# KiCad board JumperlessV5r6.kicad_pcb (continued)
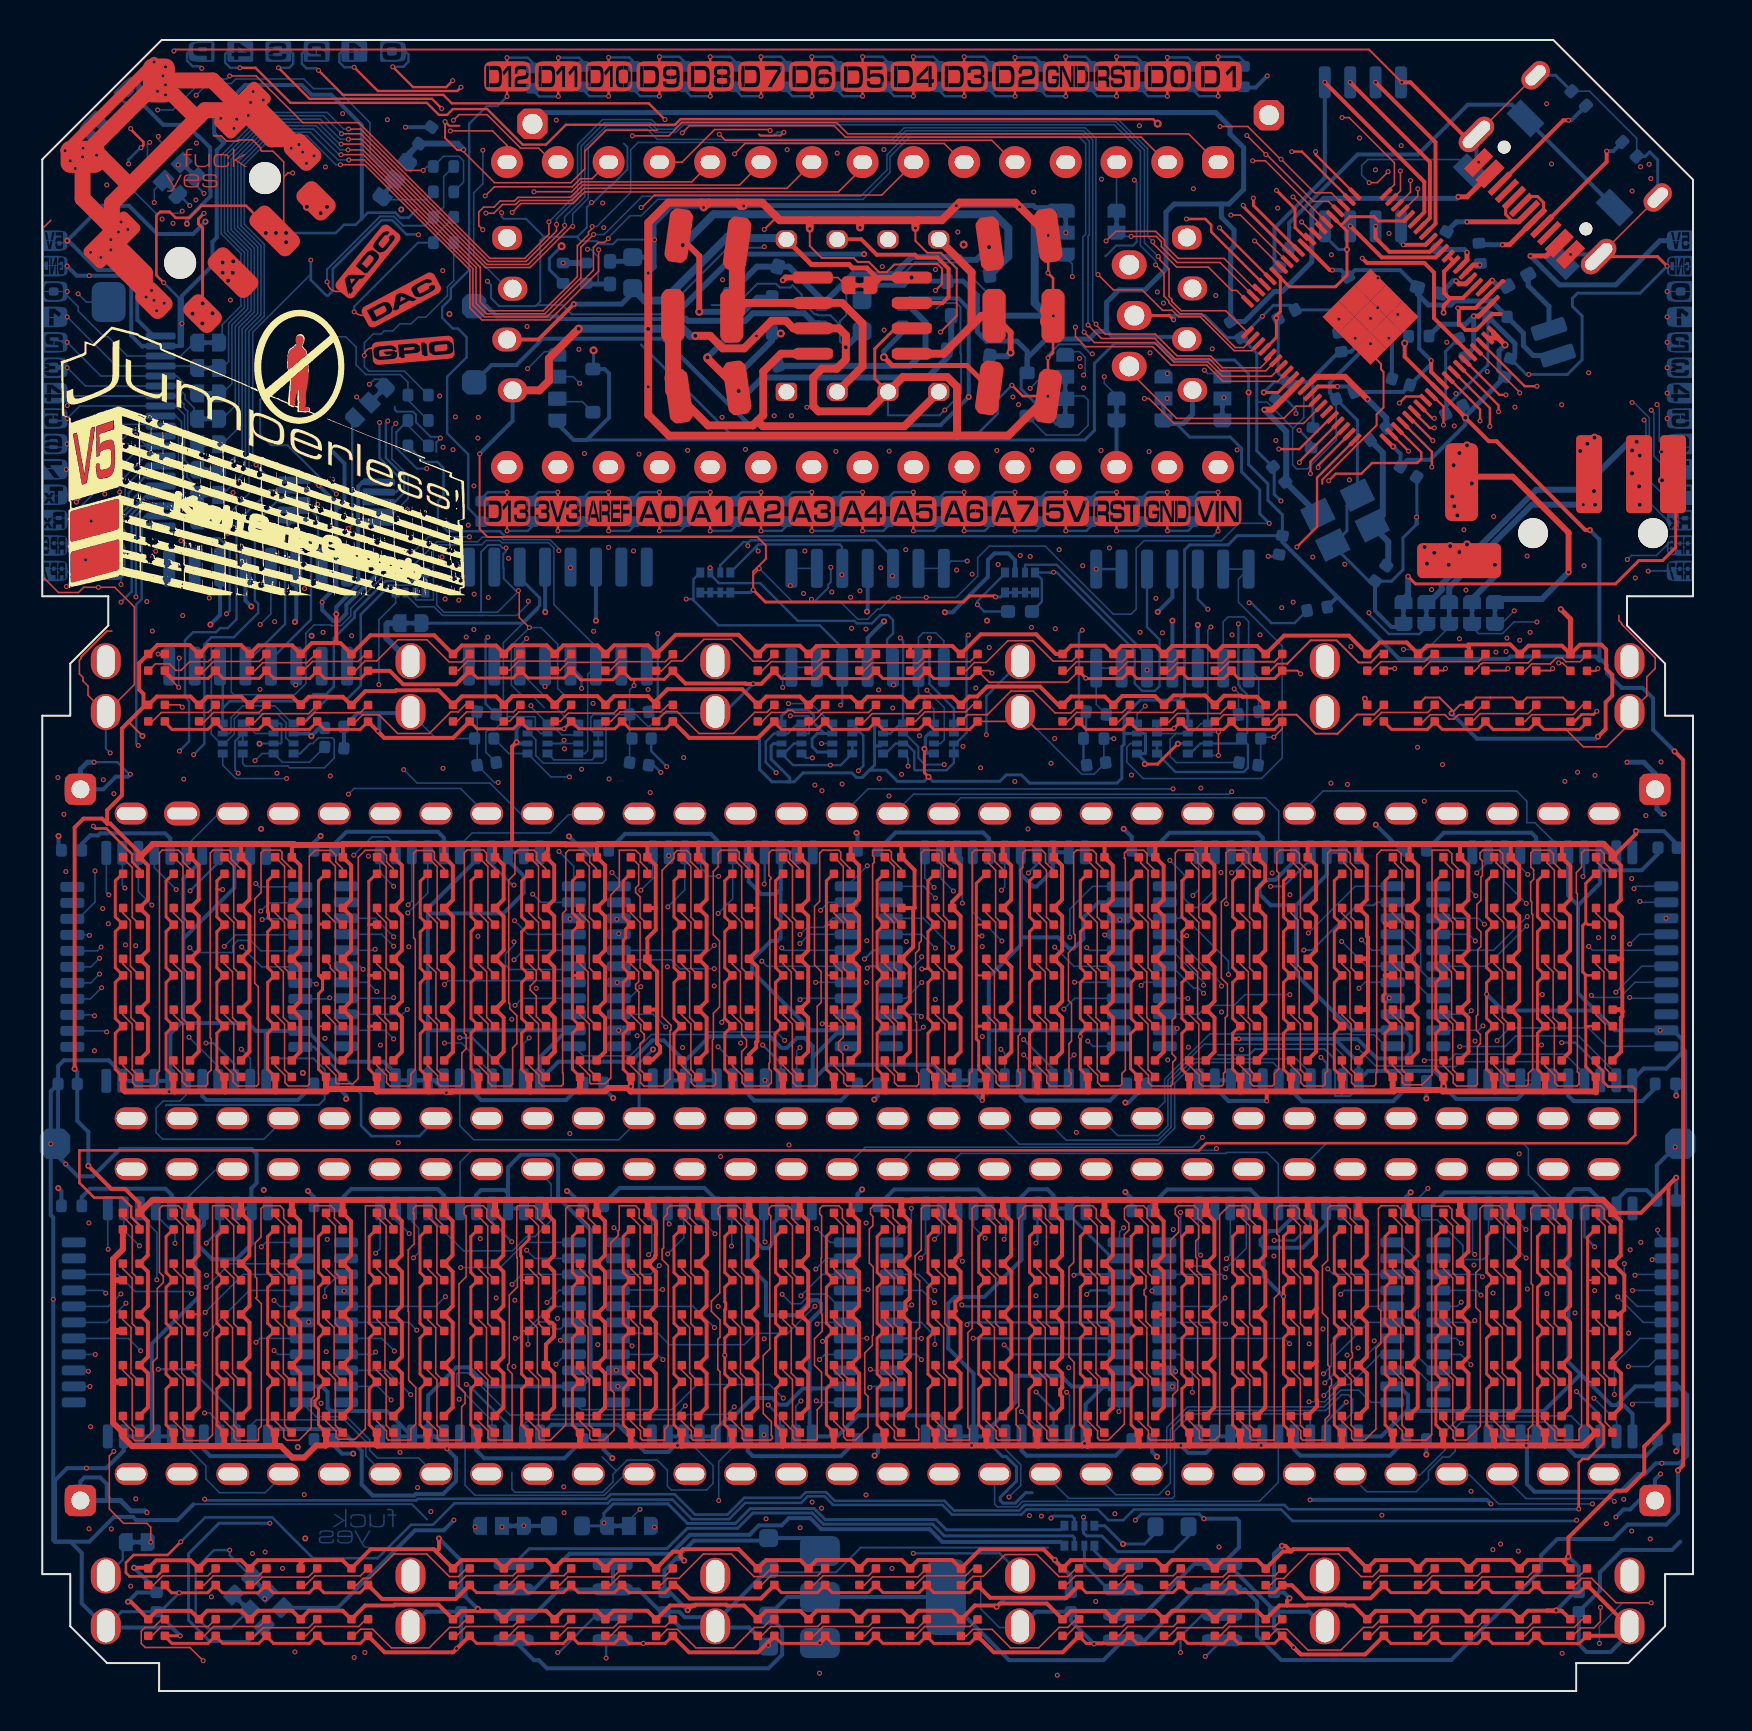
[diagram p0: board, top side]
## Routing (per net, layer and track width the routed paths; a pad name or vN(x,y) marks a point on that pad's centre or on a via; arc(x,y) is an arc through that point) (continued)
Vout: length 13.2
  Top w0.3: v3(48.43,66.92) 48.43,67.93 C4.2
  Top w0.4: U9.5 45.07,66.86 46.47,68.27 ; U1.5 46.47,70.93 46.47,68.27 ; 46.47,68.27 46.96,68.76 C4.2
  Bottom w0.3: D65.1 48.24,66.74 v3(48.43,66.92)
Net-(A1-VIN): length 3.7
  In2.Cu w0.2: 58.8,61.14 58.8,63.87 59.09,64.16 v1(59.09,64.67)
  Bottom w0.2: JP9.2 59.06,64.67 v1(59.09,64.67)
Net-(C14-Pad1): length 7.1
  Bottom w0.3: R12.2 67.04,61.92 67.04,58.79 Y1.3 67.31,57.47 67.31,56.37 C14.1
Net-(D2-K): length 2
  Bottom w0.08: D2.1 27.01,64.47 JP1.1
  Bottom w0.2: 25.77,64.63 25.78,64.62
Net-(D3-K): length 6.1
  Bottom w0.08: D3.1 50.2,62.8 51.82,62.8 52.3,63.28 52.3,64.55 52.1,64.75 JP19.1
Net-(D4-K): length 17.4
  Top w0.2: 47.05,64.83 47.37,65.15
  Top w0.25: v3(42.09,66.69) 42.5,66.28 46.24,66.28 C6.2
  In1.Cu w0.25: v3(36.93,67.88) 40.9,67.88 v3(42.09,66.69)
  Bottom w0.25: v3(36.93,67.88) 36.55,67.88 D67.2 ; v3(42.09,66.69) 42.09,67 43.03,67.94 JP21.1
  Bottom w0.3: D4.1 36.49,67.52 D67.2
Net-(D6-A): length 28.1
  Top w0.3: v3(32.85,68.96) 32.85,71.75 C2.1
  Bottom w0.3: v3(32.85,68.96) 35.06,68.96 35.76,69.66 D6.2
  Bottom w0.4: D62.1 48.31,71.73 48.31,73.13 47.61,73.84 33.57,73.84 v3(32.02,72.3)
Net-(D6-K): length 16.3
  Top w0.3: C1.1 47.35,72.33 v3(47.35,72.19)
  Bottom w0.3: v3(47.35,72.19) 46.71,71.56 46,71.56 45.86,71.7 43.48,71.7 42.62,70.84 42.47,70.84 42.46,70.83 40.52,70.83 JP22.2 ; D6.1 35.74,71.22 D7.2 37.34,71.22 38.96,69.59 JP22.2 ; JP22.2 39.14,69.45
Net-(D65-A): length 17
  Top w0.4: v3(33.26,66.68) 33.26,66.62 34.73,65.15
  Bottom w0.3: v3(34.82,65) 35.35,65 36.02,65.67 44.26,65.67 45.24,66.65 D65.2 45.45,67.25 D68.2 ; D67.1 34.33,67.75 v3(33.26,66.68)
Net-(D1011-DOUT): length 3.7
  Top w0.08: 4.02,41.71 4.02,41.65 4.5,41.18 4.5,38.69 4.85,38.34
Net-(D1012-DOUT): length 3.7
  Top w0.08: 4.02,39.17 4.02,38.91 4.41,38.52 4.41,36.24 4.85,35.8
Net-(D1013-DOUT): length 3.7
  Top w0.08: 4.85,33.26 4.43,33.67 4.43,35.95 4.02,36.36 4.02,36.63
Net-(D1014-DOUT): length 3.7
  Top w0.08: 4.85,30.72 4.5,31.07 4.5,33.35 4.02,33.82 4.02,34.09
Net-(D1015-DOUT): length 16.7
  Top w0.08: 7.39,40.88 7.39,41.12 7.38,41.12 7.04,41.45 7.04,41.81 6.81,42.04 6,42.04 5.86,41.9 5.86,31.01 5.73,30.88 5.73,30.34 5.64,30.25 4.68,30.25 4.51,30.42 4.51,30.79 4.02,31.28 4.02,31.55
Net-(D1021-DOUT): length 3.7
  Top w0.08: 7.39,38.34 7.04,38.69 7.04,41.23 6.56,41.71
Net-(D1022-DOUT): length 3.7
  Top w0.08: 7.39,35.8 7.04,36.15 7.04,38.43 6.56,38.9 6.56,39.17
Net-(D1023-DOUT): length 3.7
  Top w0.08: 7.39,33.26 6.97,33.67 6.97,35.95 6.56,36.36 6.56,36.63
Net-(D1024-DOUT): length 3.7
  Top w0.08: 6.56,34.09 6.56,33.82 7.03,33.35 7.03,31.08 7.39,30.72
Net-(D1025-DOUT): length 16.7
  Top w0.08: 6.56,31.55 6.56,31.28 7,30.84 7,30.47 7.22,30.25 8.18,30.25 8.27,30.34 8.27,30.88 8.44,31.05 8.44,32.62 8.4,32.67 8.4,41.9 8.54,42.04 9.35,42.04 9.45,41.95 9.45,41.59 9.92,41.12 9.93,41.12 9.93,40.88
Net-(D1031-DOUT): length 3.7
  Top w0.08: 9.1,41.71 9.57,41.23 9.57,38.69 9.93,38.34
Net-(D1032-DOUT): length 3.7
  Top w0.08: 9.1,39.17 9.1,38.9 9.57,38.43 9.57,36.15 9.93,35.8
Net-(D1033-DOUT): length 3.7
  Top w0.08: 9.1,36.63 9.1,36.36 9.51,35.95 9.51,33.67 9.93,33.26
Net-(D1034-DOUT): length 3.7
  Top w0.08: 9.93,30.72 9.57,31.07 9.57,33.35 9.1,33.82 9.1,34.09
Net-(D1035-DOUT): length 16.8
  Top w0.08: 9.1,31.55 9.1,31.28 9.54,30.84 9.54,30.47 9.76,30.25 10.72,30.25 10.81,30.34 10.81,30.88 10.8,30.88 10.8,35.21 10.63,35.39 10.63,39.61 10.94,39.92 10.94,41.9 11.08,42.04 11.89,42.04 11.99,41.95 11.99,41.59 12.46,41.12 12.47,41.12 12.47,40.88
Net-(D1041-DOUT): length 3.7
  Top w0.08: 12.47,38.34 12.11,38.69 12.11,41.23 11.64,41.71
Net-(D1042-DOUT): length 3.7
  Top w0.08: 11.64,39.17 11.64,38.9 12.11,38.43 12.11,36.15 12.47,35.8
Net-(D1043-DOUT): length 3.7
  Top w0.08: 11.64,36.63 11.64,36.36 12.06,35.95 12.06,33.67 12.47,33.26
Net-(D1044-DOUT): length 3.7
  Top w0.08: 12.47,30.72 12.11,31.07 12.11,33.35 11.64,33.82 11.64,34.09
Net-(D1045-DOUT): length 16.7
  Top w0.08: 11.64,31.55 11.64,31.28 12.14,30.79 12.14,30.42 12.3,30.25 13.26,30.25 13.35,30.34 13.35,41.74 13.64,42.03 14.44,42.03 14.68,41.79 14.68,41.45 15.01,41.12 15.01,40.88
Net-(D1051-DOUT): length 3.7
  Top w0.08: 14.18,41.71 14.65,41.23 14.65,38.69 15.01,38.34
Net-(D1052-DOUT): length 3.7
  Top w0.08: 15.01,35.8 14.65,36.15 14.65,38.43 14.18,38.9 14.18,39.17
Net-(D1053-DOUT): length 3.7
  Top w0.08: 15.01,33.26 14.65,33.62 14.65,35.91 14.4,36.15 14.4,36.28 14.18,36.5 14.18,36.63
Net-(D1054-DOUT): length 3.7
  Top w0.08: 14.18,34.09 14.18,33.82 14.65,33.35 14.65,31.07 15.01,30.72
Net-(D1055-DOUT): length 16.4
  Top w0.08: 17.55,40.88 17.55,41.12 17.22,41.45 17.22,41.79 16.97,42.04 16.16,42.04 15.8,41.68 15.8,30.62 15.54,30.36 14.73,30.36 14.68,30.42 14.68,30.79 14.18,31.28 14.18,31.55
Net-(D1061-DOUT): length 3.7
  Top w0.08: 16.72,41.71 17.2,41.23 17.2,38.69 17.55,38.34
Net-(D1062-DOUT): length 3.7
  Top w0.08: 17.55,35.8 17.2,36.15 17.2,38.43 16.72,38.9 16.72,39.17
Net-(D1063-DOUT): length 3.7
  Top w0.08: 17.55,33.26 17.14,33.67 17.14,35.95 16.72,36.36 16.72,36.63
Net-(D1064-DOUT): length 3.7
  Top w0.08: 16.72,34.09 16.72,33.82 17.2,33.35 17.2,31.07 17.55,30.72
Net-(D1065-DOUT): length 16.7
  Top w0.08: D1071.4 20.1,41.1 19.61,41.59 19.61,41.94 19.52,42.03 18.71,42.03 18.57,41.88 18.57,37.66 18.65,37.58 18.65,31.07 18.43,30.84 18.43,30.34 18.34,30.25 17.38,30.25 17.21,30.42 17.21,30.79 16.72,31.28 16.72,31.55
Net-(D1071-DOUT): length 3.7
  Top w0.08: D1072.4 19.75,38.68 19.75,41.22 D1071.1
Net-(D1072-DOUT): length 3.7
  Top w0.08: D1072.1 19.27,38.88 19.75,38.41 19.75,36.14 D1073.4
Net-(D1073-DOUT): length 3.7
  Top w0.08: D1073.1 19.27,36.34 19.68,35.93 19.68,33.66 D1074.4
Net-(D1074-DOUT): length 3.7
  Top w0.08: D1074.1 19.27,33.8 19.75,33.33 19.75,31.06 D1075.4
Net-(D1075-DOUT): length 16.8
  Top w0.08: D1075.1 19.27,31.26 19.76,30.77 19.76,30.4 19.91,30.25 20.9,30.25 20.98,30.33 20.98,31.9 21.19,32.11 21.19,32.8 21.11,32.88 21.11,41.91 21.25,42.05 22.06,42.05 22.21,41.89 22.21,41.52 22.64,41.1 22.64,40.89
Net-(D1081-DOUT): length 3.7
  Top w0.08: 22.64,38.35 22.29,38.7 22.29,41.22 21.81,41.7 21.81,41.72
Net-(D1082-DOUT): length 3.7
  Top w0.08: 22.64,35.81 22.29,36.16 22.29,38.43 21.81,38.91 21.81,39.18
Net-(D1083-DOUT): length 3.7
  Top w0.08: 22.64,33.27 22.22,33.68 22.22,35.95 21.81,36.37 21.81,36.64
Net-(D1084-DOUT): length 3.7
  Top w0.08: 22.64,30.73 22.29,31.08 22.29,33.35 21.81,33.83 21.81,34.1
Net-(D1085-DOUT): length 17
  Top w0.08: 25.17,40.88 25.17,41.12 24.73,41.56 24.73,41.9 24.59,42.04 23.78,42.04 23.64,41.9 23.64,40.86 23.33,40.55 23.33,34.4 23.38,34.35 23.38,34.12 23.73,33.77 23.73,32.37 23.52,32.16 23.52,30.35 23.42,30.25 22.48,30.25 22.31,30.43 22.31,30.79 21.81,31.29 21.81,31.56
Net-(D1091-DOUT): length 3.7
  Top w0.08: 25.17,38.34 24.82,38.69 24.82,41.23 24.34,41.71
Net-(D1092-DOUT): length 3.7
  Top w0.08: 25.17,35.8 24.82,36.15 24.82,38.43 24.34,38.9 24.34,39.17
Net-(D1093-DOUT): length 4
  Top w0.08: 25.17,33.26 24.7,33.72 24.7,34.75 24.4,35.05 24.4,35.25 24.7,35.55 24.7,36 24.34,36.36 24.34,36.63
Net-(D1094-DOUT): length 3.7
  Top w0.08: 25.17,30.72 24.82,31.07 24.82,33.35 24.34,33.82 24.34,34.09
Net-(D1095-DOUT): length 16.7
  Top w0.08: 24.34,31.55 24.34,31.28 24.83,30.79 24.83,30.42 25,30.25 25.96,30.25 26.05,30.34 26.05,30.88 26.02,30.91 26.02,38.87 26.18,39.03 26.18,41.9 26.32,42.04 27.13,42.04 27.38,41.79 27.38,41.45 27.71,41.12 27.71,40.88
Net-(D1101-DOUT): length 3.7
  Top w0.08: 26.88,41.71 27.36,41.23 27.36,38.69 27.71,38.34
Net-(D1102-DOUT): length 3.7
  Top w0.08: 27.71,35.8 27.36,36.15 27.36,38.43 26.88,38.9 26.88,39.17
Net-(D1103-DOUT): length 3.7
  Top w0.08: 27.71,33.26 27.29,33.67 27.29,35.95 26.88,36.36 26.88,36.63
Net-(D1104-DOUT): length 3.7
  Top w0.08: 27.71,30.72 27.36,31.07 27.36,33.35 26.88,33.82 26.88,34.09
Net-(D1105-DOUT): length 16.3
  Top w0.08: 30.25,40.88 30.25,41.12 30.24,41.12 29.9,41.45 29.9,41.81 29.67,42.04 28.86,42.04 28.86,40.24 28.43,39.81 28.43,30.65 28.15,30.36 27.43,30.36 27.38,30.42 27.38,30.79 26.88,31.28 26.88,31.55
Net-(D1111-DOUT): length 3.8
  Top w0.08: 30.25,38.34 29.89,38.69 29.89,39.71 29.67,39.93 29.67,40.15 29.83,40.31 29.83,41.3 29.42,41.71
Net-(D1112-DOUT): length 3.7
  Top w0.08: 29.42,39.17 29.42,38.9 29.89,38.43 29.89,36.15 30.25,35.8
Net-(D1113-DOUT): length 3.8
  Top w0.08: 30.25,33.26 29.83,33.67 29.83,34.95 29.67,35.12 29.67,35.33 29.83,35.48 29.83,35.96 29.42,36.36 29.42,36.63
Net-(D1114-DOUT): length 3.9
  Top w0.08: 30.25,30.72 29.89,31.07 29.89,32.36 30.1,32.57 30.1,32.83 29.93,33.01 29.93,33.32 29.42,33.82 29.42,34.09
Net-(D1115-DOUT): length 16.8
  Top w0.08: 32.79,40.88 32.79,41.11 32.42,41.48 32.42,41.83 32.23,42.03 31.74,42.03 31.59,41.88 31.59,41.63 31,41.04 31,33.73 31.44,33.29 31.44,33.07 31.39,33.01 31.39,30.6 31.04,30.25 30.08,30.25 29.92,30.42 29.92,30.79 29.42,31.28 29.42,31.55
Net-(D1121-DOUT): length 3.7
  Top w0.08: 32.79,38.34 32.44,38.69 32.44,41.23 31.96,41.71
Net-(D1122-DOUT): length 3.7
  Top w0.08: 31.96,39.17 31.96,38.9 32.44,38.43 32.44,36.15 32.79,35.8
Net-(D1123-DOUT): length 3.7
  Top w0.08: 32.79,33.26 32.38,33.67 32.38,35.95 31.96,36.36 31.96,36.63
Net-(D1124-DOUT): length 3.7
  Top w0.08: 31.96,34.09 31.96,33.82 32.44,33.35 32.44,31.07 32.79,30.72
Net-(D1125-DOUT): length 17.1
  Top w0.08: 31.96,31.55 31.96,31.28 32.45,30.79 32.45,30.42 32.62,30.25 33.58,30.25 33.67,30.34 33.67,30.88 33.51,31.04 33.51,32.55 33.56,32.6 33.56,33.89 33.87,34.2 33.87,37.5 33.55,37.81 33.55,40.97 33.8,41.21 33.8,41.9 33.94,42.04 34.75,42.04 34.84,41.95 34.84,41.58 35.34,41.09 D1131.4
Net-(D1131-DOUT): length 3.7
  Top w0.08: 35.33,38.34 34.97,38.69 34.97,41.2 34.5,41.67 34.5,41.71
Net-(D1132-DOUT): length 3.7
  Top w0.08: 35.33,35.8 34.97,36.15 34.97,38.43 34.5,38.9 34.5,39.17
Net-(D1133-DOUT): length 3.7
  Top w0.08: 35.33,33.26 34.92,33.67 34.92,35.95 34.5,36.36 34.5,36.63
Net-(D1134-DOUT): length 3.9
  Top w0.08: 35.33,30.72 34.97,31.07 34.97,31.97 35.22,32.22 35.22,32.55 34.97,32.8 34.97,33.35 34.5,33.82 34.5,34.09
Net-(D1135-DOUT): length 17
  Top w0.08: 34.5,31.55 34.5,31.28 34.99,30.79 34.99,30.47 35,30.47 35,30.42 35.16,30.25 36.3,30.25 36.46,30.41 36.46,31 36.34,31.11 36.34,31.39 36.38,31.43 36.38,40.55 36.43,40.6 36.43,40.67 36.34,40.77 36.34,41.9 36.48,42.04 37.29,42.04 37.39,41.95 37.39,41.59 37.86,41.12 37.87,41.12 37.87,40.88
Net-(D1141-DOUT): length 3.7
  Top w0.08: 37.87,38.34 37.52,38.69 37.52,41.23 37.04,41.71
Net-(D1142-DOUT): length 3.7
  Top w0.08: 37.04,39.17 37.04,38.9 37.52,38.43 37.52,36.15 37.87,35.8
Net-(D1143-DOUT): length 3.7
  Top w0.08: 37.87,33.26 37.45,33.67 37.45,35.95 37.04,36.36 37.04,36.63
Net-(D1144-DOUT): length 3.7
  Top w0.08: 37.04,34.09 37.04,33.82 37.51,33.35 37.51,31.08 37.87,30.72
Net-(D1145-DOUT): length 17
  Top w0.08: 40.41,40.88 40.41,41.12 40.4,41.12 39.92,41.59 39.92,41.95 39.83,42.04 39.02,42.04 38.88,41.9 38.88,39.49 38.62,39.23 38.62,36.31 38.95,35.98 38.95,34.43 38.75,34.23 38.75,30.34 38.66,30.25 37.7,30.25 37.54,30.42 37.54,30.47 37.53,30.47 37.53,30.79 37.04,31.28 37.04,31.55 37.04,31.55
Net-(D1151-DOUT): length 3.7
  Top w0.08: 40.41,38.34 40.06,38.69 40.06,41.23 39.58,41.71
Net-(D1152-DOUT): length 3.7
  Top w0.08: 40.41,35.8 40.06,36.15 40.06,38.43 39.58,38.9 39.58,39.17
Net-(D1153-DOUT): length 3.7
  Top w0.08: 39.58,36.63 39.58,36.36 40,35.95 40,33.67 40.41,33.26
Net-(D1154-DOUT): length 3.9
  Top w0.08: 39.58,34.09 39.58,33.82 40.06,33.35 40.06,32.69 39.82,32.45 39.82,32.08 40.04,31.86 40.04,31.09 40.41,30.72
Net-(D1155-DOUT): length 17
  Top w0.08: D1161.4 42.96,41.09 42.47,41.59 42.47,41.95 42.37,42.04 41.56,42.04 41.52,42.01 41.52,41.77 41.6,41.7 41.6,41.43 41.52,41.35 41.52,30.58 41.2,30.25 40.24,30.25 40.08,30.42 40.08,30.79 39.58,31.28 39.58,31.55 ; 42.95,40.88 42.95,41.12
Net-(D1161-DOUT): length 3.7
  Top w0.08: 42.12,41.71 42.59,41.23 42.59,38.69 42.95,38.34
Net-(D1162-DOUT): length 3.7
  Top w0.08: 42.12,39.17 42.12,38.9 42.59,38.43 42.59,36.15 42.95,35.8
Net-(D1163-DOUT): length 3.7
  Top w0.08: 42.12,36.63 42.12,36.36 42.54,35.95 42.54,33.67 42.95,33.26
Net-(D1164-DOUT): length 3.7
  Top w0.08: 42.12,34.09 42.12,33.82 42.59,33.35 42.59,31.07 42.95,30.72
Net-(D1165-DOUT): length 16.9
  Top w0.08: 45.49,40.88 45.49,41.12 45.4,41.12 45.01,41.51 45.01,41.95 44.91,42.04 44.1,42.04 43.96,41.9 43.96,37.51 43.85,37.4 43.85,37.07 43.67,36.89 43.67,33.49 43.72,33.44 43.72,30.99 43.83,30.88 43.83,30.34 43.74,30.25 42.78,30.25 42.62,30.42 42.62,30.79 42.12,31.28 42.12,31.55
Net-(D1171-DOUT): length 3.7
  Top w0.08: 44.66,41.71 44.66,41.63 45.07,41.23 45.07,38.76 45.49,38.34
Net-(D1172-DOUT): length 3.7
  Top w0.08: 45.49,35.8 45.14,36.15 45.14,38.43 44.66,38.9 44.66,39.17
Net-(D1173-DOUT): length 3.7
  Top w0.08: 44.66,36.63 44.66,36.36 45.08,35.95 45.08,33.67 45.49,33.26
Net-(D1174-DOUT): length 3.7
  Top w0.08: 45.49,30.72 45.14,31.07 45.14,33.35 44.66,33.82 44.66,34.09
Net-(D1175-DOUT): length 16.7
  Top w0.08: D1181.4 48.04,41.07 47.63,41.48 47.63,41.86 47.45,42.04 46.64,42.04 46.5,41.9 46.5,31.01 46.37,30.88 46.37,30.34 46.28,30.25 45.32,30.25 45.16,30.42 45.16,30.47 45.15,30.47 45.15,30.79 44.66,31.28 44.66,31.55
Net-(D1181-DOUT): length 3.6
  Top w0.08: 48.03,38.34 47.67,38.69 47.67,41.04 47.3,41.41 47.3,41.6
Net-(D1182-DOUT): length 3.7
  Top w0.08: 47.2,39.17 47.2,38.9 47.67,38.43 47.67,36.15 48.03,35.8
Net-(D1183-DOUT): length 3.7
  Top w0.08: 47.2,36.63 47.2,36.36 47.62,35.95 47.62,33.67 48.03,33.26
Net-(D1184-DOUT): length 3.7
  Top w0.08: 48.03,30.72 47.67,31.07 47.67,33.35 47.2,33.82 47.2,34.09
Net-(D1185-DOUT): length 16.8
  Top w0.08: D1191.4 50.58,41.01 50.17,41.42 50.17,41.86 49.99,42.04 49.18,42.04 49.04,41.9 49.04,41.19 48.9,41.06 48.9,32.85 48.8,32.75 48.8,30.99 48.91,30.88 48.91,30.34 48.82,30.25 47.86,30.25 47.7,30.42 47.7,30.47 47.69,30.47 47.69,30.79 47.2,31.28 47.2,31.55
Net-(D1191-DOUT): length 3.6
  Top w0.08: 49.84,41.6 49.84,41.41 50.22,41.04 50.22,38.69 50.57,38.34
Net-(D1192-DOUT): length 3.7
  Top w0.08: 49.74,39.17 49.74,38.9 50.22,38.43 50.22,36.15 50.57,35.8
Net-(D1193-DOUT): length 3.7
  Top w0.08: 49.74,36.63 49.74,36.36 50.16,35.95 50.16,33.67 50.57,33.26
Net-(D1194-DOUT): length 3.7
  Top w0.08: 50.57,30.72 50.22,31.07 50.22,33.35 49.74,33.82 49.74,34.09
Net-(D1195-DOUT): length 17
  Top w0.08: 49.74,31.55 49.74,31.28 50.24,30.79 50.24,30.42 50.4,30.25 51.36,30.25 51.45,30.34 51.45,30.88 51.34,30.99 51.34,32.37 51.47,32.5 51.47,34.37 51.32,34.53 51.32,36.91 51.65,37.25 51.65,37.8 51.58,37.87 51.58,41.9 51.72,42.04 52.53,42.04 52.71,41.86 52.71,41.42 53.12,41.01 D1201.4
Net-(D1201-DOUT): length 3.6
  Top w0.08: 53.11,38.34 52.76,38.69 52.76,41.04 52.38,41.41 52.38,41.6
Net-(D1202-DOUT): length 3.7
  Top w0.08: D1202.1 52.29,38.89 52.76,38.43 52.76,36.15 53.11,35.8
Net-(D1203-DOUT): length 3.7
  Top w0.08: 53.11,33.26 52.7,33.67 52.7,35.95 52.28,36.36 52.28,36.63
Net-(D1204-DOUT): length 3.7
  Top w0.08: 52.28,34.09 52.28,33.82 52.76,33.35 52.76,31.07 53.11,30.72
Net-(D1205-DOUT): length 16.8
  Top w0.08: 54.12,41.66 54.12,41.9 54.26,42.04 55.07,42.04 55.25,41.86 55.25,41.42 55.66,41.01 D1211.4 ; 54.12,41.66 54.16,41.62 54.16,31.05 53.99,30.88 53.99,30.34 53.9,30.25 52.94,30.25 52.78,30.42 52.78,30.79 52.28,31.28 52.28,31.55 ; 54.12,41.66 54.12,41.62
Net-(D1211-DOUT): length 3.6
  Top w0.08: 55.65,38.34 55.3,38.69 55.3,41.04 54.92,41.41 54.92,41.6
Net-(D1212-DOUT): length 3.7
  Top w0.08: 55.65,35.8 55.3,36.15 55.3,38.43 54.82,38.9 54.82,39.17
Net-(D1213-DOUT): length 3.7
  Top w0.08: 55.65,33.26 55.24,33.67 55.24,35.95 54.82,36.36 54.82,36.63
Net-(D1214-DOUT): length 3.7
  Top w0.08: 54.82,34.09 54.82,33.82 55.3,33.35 55.3,31.07 55.65,30.72
Net-(D1215-DOUT): length 16.9
  Top w0.08: D1221.4 58.2,41.01 57.79,41.42 57.79,41.86 57.61,42.04 56.8,42.04 56.66,41.9 56.66,33.7 56.5,33.54 56.5,31.86 56.68,31.68 56.68,31.58 56.53,31.44 56.53,30.34 56.44,30.25 55.48,30.25 55.32,30.42 55.32,30.47 55.31,30.47 55.31,30.79 54.82,31.28 54.82,31.55
Net-(D1221-DOUT): length 3.6
  Top w0.08: 58.19,38.34 57.84,38.69 57.84,41.04 57.46,41.41 57.46,41.6
Net-(D1222-DOUT): length 3.7
  Top w0.08: 57.36,39.17 57.36,38.9 57.84,38.43 57.84,36.15 58.19,35.8
Net-(D1223-DOUT): length 3.7
  Top w0.08: 57.36,36.63 57.36,36.36 57.78,35.95 57.78,33.67 58.19,33.26
Net-(D1224-DOUT): length 3.7
  Top w0.08: 58.19,30.72 57.84,31.07 57.84,33.35 57.36,33.82 57.36,34.09
Net-(D1225-DOUT): length 17
  Top w0.08: D1231.4 60.74,41.01 60.33,41.42 60.33,41.86 60.15,42.04 59.34,42.04 59.2,41.9 59.2,39.68 58.96,39.45 58.96,35.64 59.27,35.34 59.27,33.77 59.16,33.66 59.16,30.96 59.07,30.88 59.07,30.34 58.98,30.25 58.02,30.25 57.86,30.42 57.86,30.47 57.85,30.47 57.85,30.79 57.36,31.28 57.36,31.55
Net-(D1231-DOUT): length 3.6
  Top w0.08: 60,41.6 60,41.41 60.38,41.04 60.38,38.69 60.73,38.34
Net-(D1232-DOUT): length 3.7
  Top w0.08: 59.9,39.17 59.9,38.9 60.38,38.43 60.38,36.15 60.73,35.8
Net-(D1233-DOUT): length 3.7
  Top w0.08: 59.9,36.63 59.9,36.36 60.32,35.95 60.32,33.67 60.73,33.26
Net-(D1234-DOUT): length 3.7
  Top w0.08: 60.73,30.72 60.38,31.07 60.38,33.35 59.9,33.82 59.9,34.09
Net-(D1235-DOUT): length 16.8
  Top w0.08: 59.9,31.55 59.9,31.28 60.4,30.79 60.4,30.42 60.56,30.25 61.52,30.25 61.61,30.34 61.61,30.88 61.83,31.1 61.83,40.9 61.74,41 61.74,41.9 61.88,42.04 62.69,42.04 62.87,41.86 62.87,41.42 63.28,41.01 D1241.4
Net-(D1241-DOUT): length 3.6
  Top w0.08: 62.54,41.6 62.54,41.41 62.92,41.04 62.92,38.69 63.27,38.34
Net-(D1242-DOUT): length 3.7
  Top w0.08: 63.27,35.8 62.79,36.27 62.79,38.55 62.44,38.9 62.44,39.17
Net-(D1243-DOUT): length 3.7
  Top w0.08: 63.27,33.26 62.86,33.67 62.86,35.95 62.44,36.36 62.44,36.63
Net-(D1244-DOUT): length 3.7
  Top w0.08: 63.27,30.72 62.92,31.07 62.92,33.35 62.44,33.82 62.44,34.09
Net-(D1245-DOUT): length 16.7
  Top w0.08: 62.44,31.55 62.44,31.28 62.94,30.79 62.94,30.42 63.1,30.25 64.06,30.25 64.15,30.34 64.15,30.88 64.28,31.01 64.28,41.9 64.42,42.04 65.23,42.04 65.41,41.86 65.41,41.42 65.82,41.01 65.82,40.86
Net-(D1251-DOUT): length 3.6
  Top w0.08: 65.08,41.6 65.08,41.41 65.46,41.04 65.46,38.69 65.81,38.34
Net-(D1252-DOUT): length 3.7
  Top w0.08: 65.81,35.8 65.46,36.15 65.46,38.43 64.98,38.9 64.98,39.17
Net-(D1253-DOUT): length 3.7
  Top w0.08: 64.98,36.63 64.98,36.36 65.4,35.95 65.4,33.67 65.81,33.26
Net-(D1254-DOUT): length 3.7
  Top w0.08: 65.81,30.72 65.46,31.07 65.46,33.35 64.98,33.82 64.98,34.09
Net-(D1255-DOUT): length 16.7
  Top w0.08: 64.98,31.55 64.98,31.28 65.48,30.79 65.48,30.42 65.64,30.25 66.6,30.25 66.69,30.34 66.69,30.88 66.73,30.92 66.73,41.82 66.96,42.04 67.77,42.04 67.95,41.86 67.95,41.42 68.36,41.01 68.36,40.86
Net-(D1261-DOUT): length 3.6
  Top w0.08: 68.35,38.34 68,38.69 68,41.04 67.62,41.41 67.62,41.6
Net-(D1262-DOUT): length 3.7
  Top w0.08: 67.52,39.17 67.52,38.9 68,38.43 68,36.15 68.35,35.8
Net-(D1263-DOUT): length 3.7
  Top w0.08: 68.35,33.26 67.94,33.67 67.94,35.95 67.52,36.36 67.52,36.63
Net-(D1264-DOUT): length 3.7
  Top w0.08: 67.52,34.09 67.52,33.82 68,33.35 68,31.07 68.35,30.72
Net-(D1265-DOUT): length 16.5
  Top w0.08: D1271.4 70.9,41.01 70.49,41.42 70.49,41.86 70.31,42.04 69.5,42.04 69.5,30.81 69,30.31 68.12,30.31 68.02,30.42 68.02,30.79 67.52,31.28 67.52,31.55
Net-(D1271-DOUT): length 3.6
  Top w0.08: 70.89,38.34 70.54,38.69 70.54,41.04 70.16,41.41 70.16,41.6
Net-(D1272-DOUT): length 3.7
  Top w0.08: 70.89,35.8 70.54,36.15 70.54,38.43 70.06,38.9 70.06,39.17
Net-(D1273-DOUT): length 3.7
  Top w0.08: 70.06,36.63 70.06,36.36 70.48,35.95 70.48,33.67 70.89,33.26
Net-(D1274-DOUT): length 3.7
  Top w0.08: 70.89,30.72 70.54,31.07 70.54,33.35 70.06,33.82 70.06,34.09
Net-(D1275-DOUT): length 17.1
  Top w0.08: D1281.4 73.44,41.01 73.03,41.42 73.03,41.86 72.85,42.04 72.04,42.04 71.9,41.9 71.9,41.62 72.02,41.5 72.02,40.78 71.94,40.7 71.94,39.53 71.74,39.33 71.74,38.16 71.94,37.96 71.94,37.22 71.79,37.07 71.79,33.82 71.71,33.74 71.71,33.03 71.92,32.83 71.92,32.37 71.77,32.22 71.77,30.34 71.68,30.25 70.72,30.25 70.56,30.42 70.56,30.79 70.06,31.28 70.06,31.55
Net-(D1281-DOUT): length 3.6
  Top w0.08: 73.43,38.34 73.08,38.69 73.08,41.04 72.7,41.41 72.7,41.6
Net-(D1282-DOUT): length 3.7
  Top w0.08: 72.6,39.17 72.6,38.9 73.08,38.43 73.08,36.15 73.43,35.8
Net-(D1283-DOUT): length 3.7
  Top w0.08: 73.43,33.26 73.02,33.67 73.02,35.95 72.6,36.36 72.6,36.63
Net-(D1284-DOUT): length 3.7
  Top w0.08: 72.6,34.09 72.6,33.82 73.08,33.35 73.08,31.07 73.43,30.72
Net-(D1285-DOUT): length 16.9
  Top w0.08: 72.6,31.55 72.6,31.28 73.1,30.79 73.1,30.42 73.26,30.25 74.22,30.25 74.31,30.34 74.31,30.88 74.53,31.1 74.53,38.82 74.48,38.87 74.48,39.45 74.43,39.51 74.43,40.45 74.58,40.6 74.58,41.06 74.44,41.2 74.44,41.9 74.58,42.04 75.39,42.04 75.57,41.86 75.57,41.42 75.98,41.01 75.98,40.86
Net-(D1291-DOUT): length 3.6
  Top w0.08: 75.24,41.6 75.24,41.41 75.62,41.04 75.62,38.69 75.97,38.34
Net-(D1292-DOUT): length 3.7
  Top w0.08: 75.97,35.8 75.62,36.15 75.62,38.43 75.14,38.9 75.14,39.17
Net-(D1293-DOUT): length 3.7
  Top w0.08: 75.14,36.63 75.14,36.36 75.56,35.95 75.56,33.67 75.97,33.26
Net-(D1294-DOUT): length 3.7
  Top w0.08: 75.97,30.72 75.62,31.07 75.62,33.35 75.14,33.82 75.14,34.09
Net-(D1295-DOUT): length 16.8
  Top w0.08: 78.52,40.86 78.52,41.01 78.11,41.42 78.11,41.86 77.93,42.04 77.12,42.04 76.98,41.9 76.98,41.19 76.72,40.93 76.72,39.91 76.77,39.86 76.77,30.96 76.85,30.88 76.85,30.34 76.76,30.25 75.8,30.25 75.64,30.42 75.64,30.79 75.14,31.28 75.14,31.55
Net-(D1301-DOUT): length 3.6
  Top w0.08: 78.51,38.34 78.16,38.69 78.16,41.04 77.78,41.41 77.78,41.6
Net-(D1302-DOUT): length 3.7
  Top w0.08: 77.68,39.17 77.68,38.9 78.16,38.43 78.16,36.15 78.51,35.8
Net-(D1303-DOUT): length 3.7
  Top w0.08: 78.51,33.26 78.1,33.67 78.1,35.95 77.68,36.36 77.68,36.63
Net-(D1304-DOUT): length 3.7
  Top w0.08: 78.51,30.72 78.51,30.79 78.16,31.14 78.16,33.35 77.68,33.83 77.68,34.09
Net-(D1305-DOUT): length 89.4
  Top w0.13: D1305.1 77.69,31.34 78.05,30.98 78.05,30.48 78.31,30.22 79.53,30.22 79.66,30.08 79.66,27.8 79.26,27.39 58.2,27.39 57.84,27.03 1.85,27.03 1.85,25.41 2.59,24.67 3.99,24.67 4.45,24.21 4.45,23.7 4.86,23.28 D1311.4
Net-(D1311-DOUT): length 3.7
  Top w0.08: D1311.1 4.03,23.72 4.5,23.26 4.5,20.91 4.85,20.56
Net-(D1312-DOUT): length 3.7
  Top w0.08: 4.85,18.02 4.5,18.37 4.5,20.65 4.03,21.11 4.03,21.38 4.02,21.39
Net-(D1313-DOUT): length 3.7
  Top w0.08: 4.02,18.85 4.03,18.84 4.03,18.57 4.44,18.17 4.44,15.89 4.85,15.48
Net-(D1314-DOUT): length 3.7
  Top w0.08: 4.85,12.94 4.5,13.29 4.5,15.57 4.02,16.04 4.02,16.31
Net-(D1315-DOUT): length 16.5
  Top w0.08: 4.02,13.77 4.02,13.5 4.52,13.01 4.52,12.64 4.63,12.52 5.05,12.52 5.56,13.03 5.56,15.94 5.52,15.98 5.52,16.44 5.75,16.67 5.75,20.13 6.05,20.43 6.05,20.74 5.86,20.93 5.86,24.12 6,24.26 6.81,24.26 6.99,24.08 6.99,23.64 7.4,23.23 D1321.4
Net-(D1321-DOUT): length 3.7
  Top w0.08: 7.39,20.56 7.04,20.91 7.04,23.26 6.57,23.72 D1321.1
Net-(D1322-DOUT): length 3.7
  Top w0.08: 6.56,21.39 6.57,21.38 6.57,21.11 7.04,20.65 7.04,18.37 7.39,18.02
Net-(D1323-DOUT): length 3.7
  Top w0.08: 7.39,15.48 6.98,15.89 6.98,18.17 6.57,18.57 6.57,18.84 6.56,18.85
Net-(D1324-DOUT): length 3.7
  Top w0.08: 7.39,12.94 7.04,13.29 7.04,15.57 6.56,16.04 6.56,16.31
Net-(D1325-DOUT): length 16.7
  Top w0.08: D1331.4 9.94,23.23 9.53,23.64 9.53,24.08 9.35,24.26 8.54,24.26 8.51,24.24 8.51,18.24 8.54,18.21 8.54,17.99 8.51,17.97 8.51,12.81 8.23,12.52 7.17,12.52 7.06,12.64 7.06,13.01 6.56,13.5 6.56,13.77
Net-(D1331-DOUT): length 3.7
  Top w0.08: D1331.1 9.11,23.72 9.58,23.26 9.58,20.91 9.93,20.56
Net-(D1332-DOUT): length 3.7
  Top w0.08: 9.93,18.02 9.58,18.37 9.58,20.65 9.11,21.11 9.11,21.38 9.1,21.39
Net-(D1333-DOUT): length 3.7
  Top w0.08: 9.1,18.85 9.11,18.84 9.11,18.57 9.52,18.17 9.52,15.89 9.93,15.48
Net-(D1334-DOUT): length 3.7
  Top w0.08: 9.1,16.31 9.1,16.04 9.58,15.57 9.58,13.29 9.93,12.94
Net-(D1335-DOUT): length 17
  Top w0.08: 9.1,13.77 9.1,13.5 9.58,13.02 9.58,12.65 9.71,12.52 10.77,12.52 10.81,12.56 10.81,13.1 10.96,13.24 10.96,19.36 10.68,19.64 10.73,19.69 10.73,20.63 10.65,20.71 10.65,22.41 10.94,22.7 10.94,24.12 11.08,24.26 11.89,24.26 12.07,24.08 12.07,23.64 12.48,23.23 D1341.4
Net-(D1341-DOUT): length 3.7
  Top w0.08: D1341.1 11.65,23.72 12.12,23.26 12.12,20.91 12.47,20.56
Net-(D1342-DOUT): length 3.7
  Top w0.08: 12.47,18.02 12.12,18.37 12.12,20.65 11.65,21.11 11.65,21.38 11.64,21.39
Net-(D1343-DOUT): length 3.7
  Top w0.08: 12.47,15.48 12.06,15.89 12.06,18.17 11.65,18.57 11.65,18.84 11.64,18.85
Net-(D1344-DOUT): length 3.7
  Top w0.08: 12.47,12.94 12.12,13.29 12.12,15.57 11.64,16.04 11.64,16.31
Net-(D1345-DOUT): length 16.4
  Top w0.08: D1351.4 15.02,23.23 14.61,23.64 14.61,24.08 14.43,24.26 13.62,24.26 13.6,24.24 13.6,14.74 13.45,14.59 13.45,13.15 12.84,12.54 12.23,12.54 12.07,12.7 12.07,13.07 11.64,13.5 11.64,13.77
Net-(D1351-DOUT): length 3.7
  Top w0.08: 15.01,20.56 14.66,20.91 14.66,23.26 14.19,23.72 D1351.1
Net-(D1352-DOUT): length 3.7
  Top w0.08: 14.18,21.39 14.19,21.38 14.19,21.11 14.66,20.65 14.66,18.37 15.01,18.02